# Altium PCB MK66MCU_V02.PcbDoc (continued)
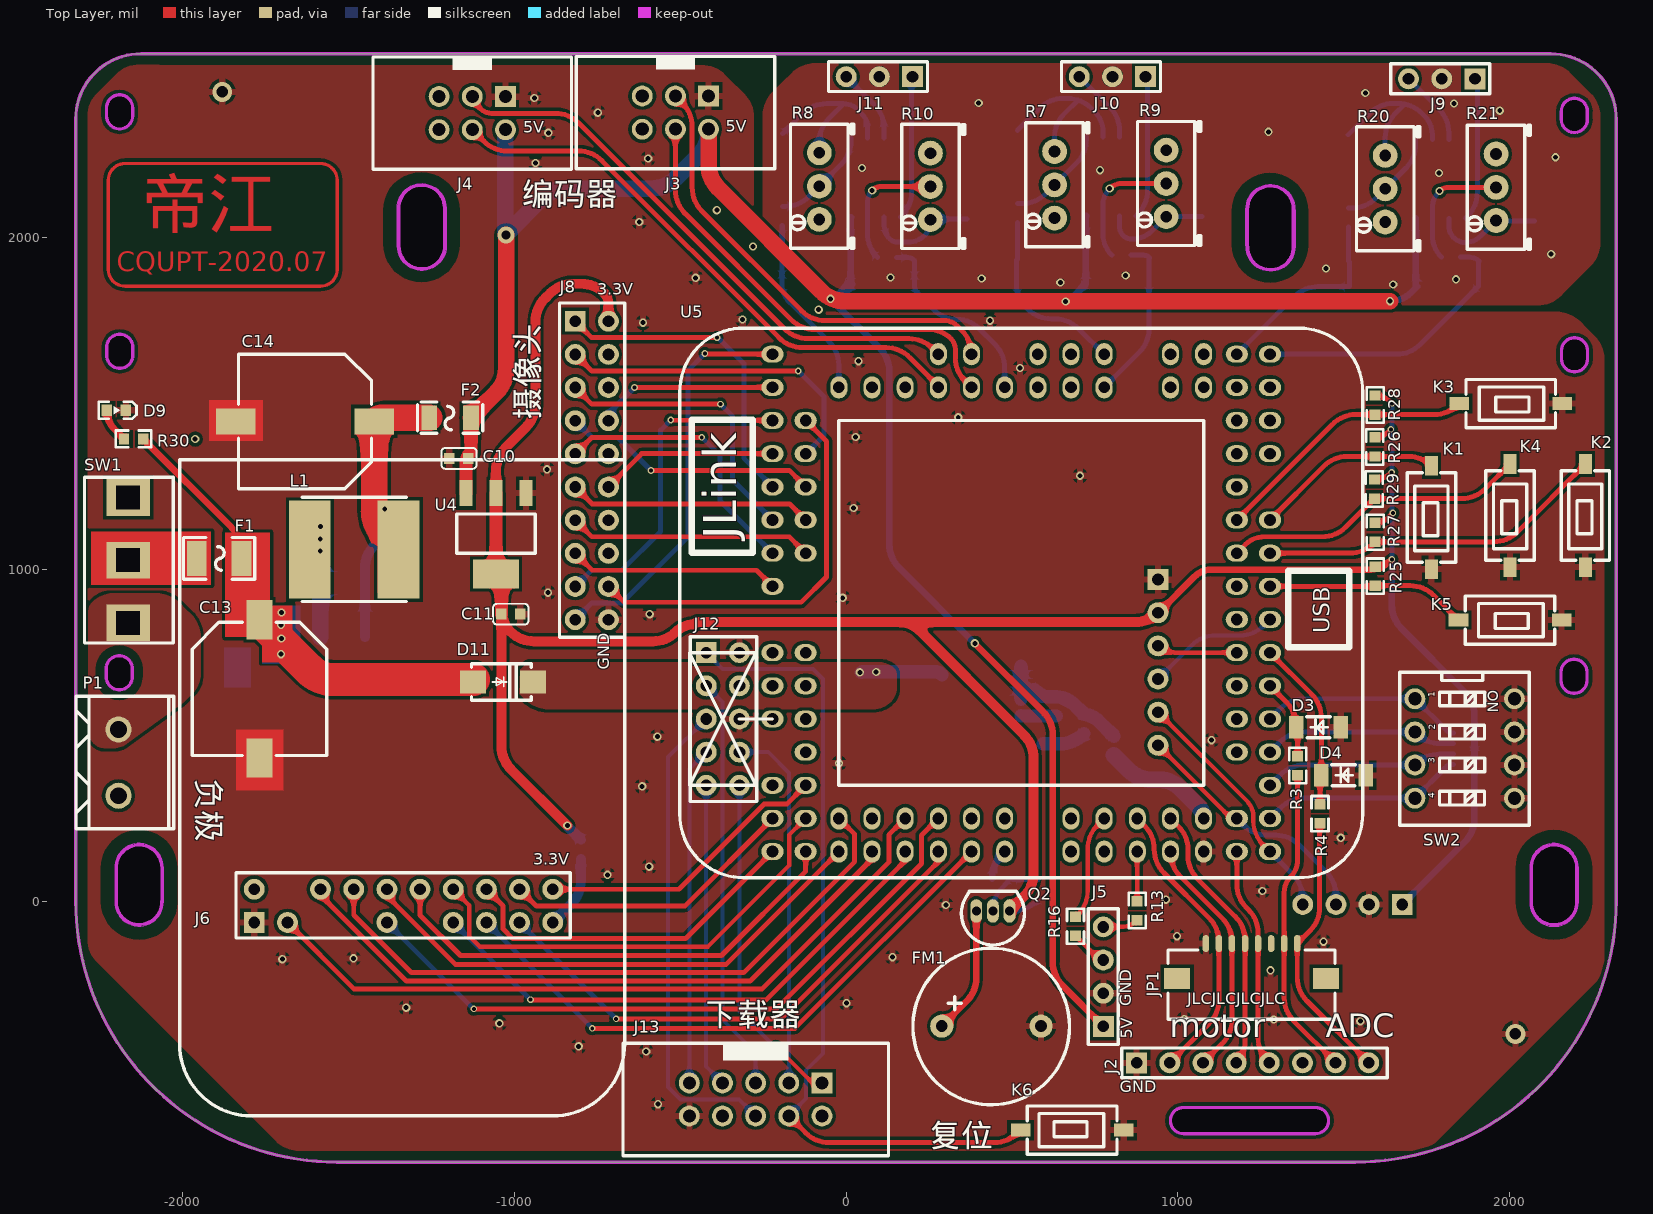
[diagram p0: Top Layer view]
## Via types
v1: diameter 25, hole 15, Top Layer to Bottom Layer, tented both sides, 84 vias
v2: diameter 20, hole 12, Top Layer to Bottom Layer, tented both sides, 18 vias
v3: diameter 60, hole 35, Top Layer to Bottom Layer, 2 vias
v4: diameter 50, hole 28, Top Layer to Bottom Layer, tented both sides, 1 vias

## Nets (pads, with @x,y where several pads share a name; then routed paths per layer and width w, separated by ;. In a path a pad name is that pad's centre, name@x,y a point inside that pad or via, vN(x,y) a via of type N, cw(c..) or ccw(c..) an arc to the next point about the centre after c; other vN are vias at no path point)
7.2V: C13.1 D11.1 F1.1 R30.2 U6.1 | length 1194.9
  Top Layer w20: R30.2 -1852.47,1126.21 cw(c-1923.18,1055.5) -1823.18,1055.5 F1.1
  Top Layer w100: C13.1 -1707.67,786.83 -1618.13,697.29 ccw(c-1547.42,768) -1547.42,668 D11.1@-1123.5,668
  other v1: -1704,744.5 -1703,791.5 -1704,833 -1702.5,870
ADC_BAT: U5.94
ADC_MOTOR1: D4.1 R4.1 U5.37 | length 517.8
  Top Layer w15: U5.37 1404.28,623.22 cw(c1333.57,552.51) 1433.57,552.51 D4.1 ccw(c1443.39,369.18) 1429.5,369.18 R4.1
ADC_MOTOR1_IN: J2.8 JP1.8 R4.2 | length 828.8
  Top Layer w15: R4.2@1428.5,232 1428.5,-19.12 cw(c1328.5,-19.12) 1399.21,-89.83 JP1.8 1360.8,-230.87 ccw(c1460.8,-230.87) 1390.08,-301.58 J2.8
ADC_MOTOR2: D3.1 R3.1 U5.35 | length 241.5
  Top Layer w15: U5.35 1328.78,598.72 cw(c1258.07,528.01) 1358.07,528.01 D3.1 cw(c1348.58,514.51) 1362,514.51 R3.1
ADC_MOTOR2_IN: J2.7 JP1.7 R3.2 | length 938.5
  Top Layer w15: R3.2 1362,124.46 cw(c1289.67,124.46) 1340.82,73.32 ccw(c1387.63,26.5) 1321.43,26.5 JP1.7 1321.43,-291.5 ccw(c1421.43,-291.5) 1350.71,-362.21 J2.7
ADC_OUT1: C9.1 D8.1 R19.1 U5.55 | length 845
  Bottom Layer w15: U5.55 1660.73,1649 ccw(c1660.73,1749) 1731.44,1678.29 C9.1 1907.26,1924.2 cw(c1914.91,1924.2) D8.1 ccw(c1880.53,1900.63) 1880.53,1941.61 R19.1
ADC_OUT2: C7.1 D7.1 R18.1 U5.56 | length 600.5
  Bottom Layer w15: U5.56 1352.82,1823.32 cw(c1423.53,1752.6) 1423.53,1852.6 C7.1 1518.26,1923.73 ccw(c1508.84,1923.73) 1515.5,1930.39 R18.1
ADC_OUT3: C5.1 D5.1 R5.1 U5.73 | length 501.1
  Bottom Layer w15: U5.73 884.47,1654.97 ccw(c813.76,1725.68) 913.76,1725.68 C5.1 913.76,1936.84 cw(c918.23,1936.84) D5.1 ccw(c896.96,1921.89) 896.96,1947.5 R5.1
ADC_OUT4: C1.1 D1.1 R1.1 U5.74 | length 549
  Bottom Layer w15: R1.1 516.5,1936.46 cw(c511.61,1936.46) D1.1 ccw(c517.02,1931.05) 514.26,1931.05 C1.1 ccw(c612.66,1860) 543.08,1790.42 548.71,1784.79 ccw(c619.42,1855.5) 619.42,1755.5 630.58,1755.5 cw(c630.58,1655.5) 701.29,1726.21 U5.74
ADC_OUT5: C6.1 D6.1 R6.1 U5.67 | length 585.4
  Bottom Layer w15: R6.1 184.13,1941 cw(c184.13,1908.56) D6.1 ccw(c209.02,1929.55) 206.26,1929.55 C6.1 ccw(c246.72,1858.5) 218.1,1829.9 264.71,1783.29 ccw(c335.42,1854) 335.42,1754 cw(c335.42,1660.86) 401.28,1726.72 449.21,1678.79 cw(c378.5,1608.08) 478.5,1608.08 U5.67
ADC_OUT6: C2.1 D2.1 R2.1 U5.57 | length 605.8
  Bottom Layer w15: -192,1983.96 R2.1 ccw(c-189.01,2034.51) -193.24,2034.51 C2.1 ccw(c-114.15,1861.5) -170.08,1805.58 -50.79,1686.29 cw(c-121.5,1615.58) -21.5,1615.58 U5.57
AGND: C1.2 C2.2 C3.2 C4.2 C5.2 C6.2 C7.2 C8.2 C9.2 D1.2 D2.2 D5.2 D6.2 D7.2 D8.2 J9.2 J10.2 J11.2 R11.1 R12.1 R14.2 R15.2 R22.1 R23.2 R24.1 U1.4 U2.4 U3.4
  other v1: 1650,1859.5 646.5,1865.5 1839.5,1875 409,1877.5 134.5,1880.5 843.5,1886.5 1447.5,1907.5 2126.5,1950.5 1788.5,2195.5 766,2204 48,2210.5 2139.5,2243 1274,2319.5 1971.5,2383.5 1833.5,2405 400,2406.5 1566,2437
BT_RX: R13.1 U5.19 | length 149.2
  Top Layer w13: R13.1 878,147.79 cw(c879.71,147.79) U5.19
BT_TX: R16.1 U5.18 | length 323.5
  Top Layer w13: R16.1 699.71,-39.55 ccw(c629,31.16) 729,31.16 729,158.08 cw(c829,158.08) 758.29,228.79 U5.18
BUZZ: R35.1 U5.11 | length 92.9
  Bottom Layer w20: R35.1 440.52,69.6 cw(c540.52,69.6) 469.81,140.31 U5.11
CAMERAL_D0: J8.1 U5.104 | length 968.3
  Top Layer w15: J8.1 -767,1699 v2(-389,1699)
  Bottom Layer w15: v2@-387.5,1700.5 -308,1621 -308,1335.5 U5.104
CAMERAL_D1: J8.2 U5.105 | length 998.3
  Top Layer w15: J8.2 -766.5,1598.5 v2(-144,1598.5)
  Bottom Layer w15: v2@-144.5,1599 v2(-144,1598.5) -66.5,1521 -66.5,1404 U5.105
CAMERAL_D2: J8.3 U5.102 | length 874.9
  Top Layer w15: J8.3 -766.5,1498.5 v2(-378.5,1498.5)
  Bottom Layer w15: v2@-380,1499.5 -342,1461.5 -342,1269.5 U5.102
CAMERAL_D3: J8.4 U5.103 | length 777.8
  Top Layer w15: v2@-588,1299 -171.5,1299 U5.103
  Bottom Layer w15: J8.4 -766,1398 -687.5,1398 v2(-588,1298.5)
CAMERAL_D4: J8.5 U5.100 | length 840.7
  Top Layer w15: J8.5 -767.5,1397.5 v2@-434,1397.5
  Bottom Layer w15: v2(-435,1398.5) -380.5,1344 -380.5,1208 U5.100
CAMERAL_D5: J8.6 U5.101 | length 736.2
  Top Layer w15: J8.6 -765.5,1197.5 -170,1197.5 U5.101
CAMERAL_D6: J8.7 U5.99 | length 736.2
  Top Layer w15: J8.7 -766.5,1098.5 -171,1098.5 U5.99
CAMERAL_D7: J8.8 U5.98 | length 636.2
  Top Layer w15: J8.8 -765.5,997.5 -270,997.5 U5.98
CAMERAL_HREF: J8.12 U5.107 | length 1206.5
  Top Layer w15: J8.12 -669,901 -135,901 -59,977 -59,1386.5 U5.107
CAMERAL_PCLK: J8.17 U5.110 | length 549
  Top Layer w15: v2@-638,1549 U5.110
  Bottom Layer w15: J8.17 -716.5,1470 v2(-638,1548.5)
CAMERAL_SCL: J8.9 U5.108 | length 981.9
  Top Layer w15: v2(-528.5,1450.5) U5.108
  Bottom Layer w15: J8.9 -767.5,997.5 -676,997.5 -559,1114.5 -559,1420 v2(-528.5,1450.5)
CAMERAL_SDA: J8.10 U5.112 | length 1221.5
  Top Layer w15: v2@-425.5,1649 U5.112
  Bottom Layer w15: J8.10 -766.5,898.5 -676,898.5 -477,1097.5 -477,1599.5 v2(-425.5,1651)
CAMERAL_VSYNC: J8.15 U5.106 | length 536.6
  Top Layer w15: J8.15 -616,1349 U5.106
DC_POWERIN: P1.1 Q1.1 SW1.3
ENCODE1_DIR: J3.5 U5.65 | length 1378.4
  Top Layer w15: J3.5 -514.5,2143.92 ccw(c-414.5,2143.92) -485.21,2073.21 -164.79,1752.79 ccw(c-94.08,1823.5) -94.08,1723.5 249.4,1723.5 cw(c249.4,1627.9) 317,1695.5 cw(c286.82,1665.32) 329.5,1665.32 329.5,1637.5 ccw(c424.86,1637.5) 357.43,1570.07 U5.65
ENCODE1_LSB: J3.2 U5.66 | length 1376.9
  Top Layer w15: J3.2 -493.29,2406.29 cw(c-564,2335.58) -464,2335.58 -464,2151.42 ccw(c-364,2151.42) -434.71,2080.71 -133.79,1779.79 ccw(c-63.08,1850.5) -63.08,1750.5 296.37,1750.5 cw(c296.37,1695.87) 335,1734.5 349.21,1720.29 cw(c278.5,1649.58) 378.5,1649.58 U5.66
ENCODE2_DIR: J4.5 U5.63 | length 1711.8
  Top Layer w15: J4.5 -1092.29,2291.29 ccw(c-1021.58,2362) -1021.58,2262 -806.92,2262 cw(c-806.92,2162) -736.21,2232.71 -201.79,1698.29 ccw(c-131.08,1769) -131.08,1669 120.58,1669 cw(c120.58,1569) 191.29,1639.71 276.03,1554.97 cw(c270.05,1549) U5.63
ENCODE2_LSB: J4.2 U5.64 | length 1718.2
  Top Layer w15: J4.2 ccw(c-1098.03,2426) -1118.51,2405.51 -1102.5,2389.5 ccw(c-1068.7,2423.3) -1068.7,2375.5 -876.92,2375.5 cw(c-876.92,2275.5) -806.21,2346.21 -185.29,1725.29 ccw(c-114.58,1796) -114.58,1696 190.08,1696 cw(c190.08,1596) 260.79,1666.71 U5.64
GND: C10.2 C11.2 C13.2 C14.2 C15.1 D3.2 D4.2 D9.C D10.1 FM1.2 J1.2 J2.1 J3.1 J4.1 J5.2 J6.1 J7.1 J8.11 J12.8 J12.10 J13.6 JP1.1 K1.A K2.A K3.A K4.A K5.A K6.B Q1.3 R24.2 R38.1 SW2.5 SW2.6 SW2.7 SW2.8 U4.1 U5.23 U6.3 U6.5 U6.6 U7.1 U7.2
  other v1: -567,-612.5 -602.5,-453.5 -806,-438 -1045.5,-369 1551,-362.5 1290,-357 1020,-356 -1326.5,-321.5 1.5,-308 1280,-209 -1700,-175.5 -1485,-173 140,-169.5 1440,-122.5 998,-106 301,-12 964.5,4 1255.5,30.5 -719,79 -593.5,103.5 1492,190.5 -614.5,346 -21,415.5 1102.5,485 -569,495.5 -592,865 -10,914.5 -898.5,930 23,1185.5 705.5,1282.5 -901.5,1302 29,1399.5 338.5,1458.5 524.5,1607.5 38,1628 -612.5,1744 434,1750 -312,1753.5 -82.5,1783.5 -453.5,1879.5 -280.5,1974 -623.5,2048 -389.5,2083.5 -936.5,2225.5 -596.5,2239 -897.5,2316.5 -748.5,2377.5 -940,2421.5
  other v3: 2018.5,-400.5 -1881,2440
IIC_SCL: J1.3 J7.6 U5.28 | length 761.1
  Top Layer w13: J7.6 1149.48,261.02 ccw(c1178.5,290.04) U5.28
  Bottom Layer w15: U5.28 1199.71,227.79 ccw(c1270.42,298.5) 1270.42,198.5 1296.08,198.5 cw(c1296.08,98.5) 1366.79,169.21 1448.21,87.79 cw(c1377.5,17.08) 1477.5,17.08 J1.3
IIC_SDA: J1.4 J7.5 U5.25 | length 749.3
  Top Layer w13: J7.5 1209.12,301.38 cw(c1162.23,254.5) 1228.54,254.5 1228.54,240.39 ccw(c1328.54,240.39) 1257.82,169.68 U5.25
  Bottom Layer w15: U5.25 1348.21,79.29 cw(c1277.5,8.58) 1377.5,8.58 J1.4
J_3.3V: J12.6 J13.1 | length 1020
  Top Layer w12: v2(-211.5,-438.5) -101.5,-548.5 J13.1
  Bottom Layer w12: J12.6 -321.5,-332.5 -215.5,-438.5 v2(-211.5,-438.5)
J_PA0: J12.4 J13.5 | length 1018.6
  Bottom Layer w12: J13.5 -472.5,398 J12.4
J_PA1: J12.2 J13.3 | length 1259.2
  Bottom Layer w12: J12.2 -372,599.5 -372,-358 -272.5,-457.5 J13.3
J_PA2: J12.3 J13.8 | length 1457.6
  Bottom Layer w12: J12.3 -536.5,434 -536.5,-560.5 -499,-598 -323,-598 J13.8
J_PA3: J12.5 J13.4 | length 917.8
  Bottom Layer w12: J12.5 -421.5,-499.5 J13.4
J_PA4: J12.7 J13.2 | length 1110.6
  Bottom Layer w12: J12.7 -234.5,449 -172.04,386.54 -172.04,-548.04 J13.2
J_RST: J12.1 J13.9 K6.A | length 2484.4
  Top Layer w15: J13.9 -121.79,-699.21 ccw(c-51.08,-628.5) -51.08,-728.5 447.57,-728.5 ccw(c447.57,-628.5) 518.28,-699.21 K6.A
  Bottom Layer w12: J12.1 -372,699.5 -100,699.5 -69.5,669 -69.5,-459.88 -120,-510.38 -120,-596 J13.9
KEY1: K1.B R26.1 U5.45 | length 569.6
  Top Layer w15: U5.45 1440.71,1311.21 cw(c1511.42,1240.5) 1511.42,1340.5 R26.1 1696.72,1340.5 cw(c1696.72,1243.24) K1.B
KEY2: K2.B R27.1 U5.43 | length 1053.8
  Top Layer w15: U5.43 1519.82,1049 ccw(c1519.82,1149) 1590.53,1078.29 R27.1 1953.33,1083.26 ccw(c1953.33,1183.26) 2024.04,1112.55 K2.B
KEY3: K3.B R28.1 U5.46 | length 807.3
  Top Layer w15: U5.46 1467.21,1437.71 cw(c1537.92,1367) 1537.92,1467 R28.1 1774.57,1467 ccw(c1774.57,1567) 1845.28,1496.29 K3.B
KEY4: K4.B R29.1 U5.44 | length 923.3
  Top Layer w15: U5.44 1204.31,1074.81 cw(c1261.5,1017.62) 1261.5,1098.5 1436.82,1098.5 ccw(c1436.82,1198.5) 1507.53,1127.79 R29.1 1856.83,1213.76 ccw(c1856.83,1313.76) 1927.54,1243.05 K4.B
KEY5: K5.B R25.1 U5.41 | length 607.8
  Top Layer w15: U5.41 1591.12,949 ccw(c1591.12,955.9) R25.1 1701.55,951.02 cw(c1701.55,851.02) 1772.26,921.73 K5.B
LC1: J9.1 U3.5 | length 433.1
  Bottom Layer w15: U3.5 1874.71,2065.71 ccw(c1804,2136.42) 1904,2136.42 1904,2461.39 ccw(c1878.39,2461.39) J9.1
LC2: J9.3 U3.3 | length 228.5
  Bottom Layer w15: J9.3 1788.71,2387.29 cw(c1718,2316.58) 1818,2316.58 U3.3
LC3: J10.1 U1.5 | length 430.8
  Bottom Layer w15: U1.5 879.71,2071.21 ccw(c809,2141.92) 909,2141.92 909,2472.72 ccw(c890.22,2472.72) J10.1
LC4: J10.3 U1.3 | length 227.5
  Bottom Layer w15: J10.3 795.71,2393.79 cw(c725,2323.08) 825,2323.08 U1.3
LC5: J11.1 U2.5 | length 433.5
  Bottom Layer w15: U2.5 168.21,2065.71 ccw(c97.5,2136.42) 197.5,2136.42 197.5,2478.76 cw(c207.74,2478.76) J11.1
LC6: J11.3 U2.3 | length 228.6
  Bottom Layer w15: J11.3 85.71,2400.79 cw(c15,2330.08) 115,2330.08 U2.3
LCD_CS: J6.9 U5.7 | length 1610.5
  Top Layer w15: v2(-693,-355.5) -195,-355.5 278.5,118 U5.7
  Bottom Layer w15: J6.9 v2@-693.25,-355.75
LCD_D0: J6.11 U5.85 | length 892.9
  Top Layer w15: J6.11 -503.81,35.5 -247.22,292.09 -178.41,292.09 U5.85
LCD_D1: J6.12 U5.84 | length 893.7
  Top Layer w15: J6.12 -933.5,-15.5 -486,-15.5 U5.84
LCD_D2: J6.13 U5.82 | length 1074
  Top Layer w15: J6.13 -1034.5,-14.5 -1034.5,-83.79 -1004.79,-113.5 -484,-113.5 U5.82
LCD_D3: J6.14 U5.83 | length 1403.2
  Top Layer w13: J6.14 -1136.5,-12.5 -1136.5,-105.5 -1104.5,-137.5 -415.94,-137.5 -171.54,106.91 -171.54,198.96 U5.83
LCD_D4: J6.15 U5.81 | length 1456.2
  Top Layer w15: J6.15 -1284.5,-42.5 -1162.5,-164.5 -375.5,-164.5 -121.5,89.5 U5.81
LCD_D5: J6.16 U5.1 | length 1609.4
  Top Layer w15: J6.16 -1384.5,15.5 -1178,-191 -361.5,-191 U5.1
LCD_D6: J6.17 U5.2 | length 1948.8
  Top Layer w15: J6.17 -1484.5,-42 -1310.5,-216 -308.5,-216 26,118.5 26,201.5 U5.2
LCD_D7: J6.18 U5.3 | length 1962.8
  Top Layer w15: J6.18 -1584.5,17.5 -1326,-241 -289,-241 78.5,126.5 U5.3
LCD_RD: J6.2 U5.6 | length 2208.1
  Top Layer w15: J6.2 -1483,-266 -254,-266 129,117 129,199.5 U5.6
LCD_RS: J6.5 U5.8 | length 2061.9
  Top Layer w15: v2@-1125,-325 v2(-1122.5,-325) -210,-325 227.5,112.5 227.5,198 U5.8
  Bottom Layer w15: J6.5 v2@-1122.5,-326.5
LCD_RST: J6.8 U5.9 | length 1816
  Top Layer w15: v2@-765.25,-384 -154.5,-384 U5.9
  Bottom Layer w15: J6.8 v2(-765.25,-383.75)
LCD_WR: J6.7 U5.5 | length 1661.1
  Top Layer w15: v2@-951.5,-298 -240.5,-298 178.5,121 U5.5
  Bottom Layer w15: J6.7 v2(-951.5,-297.5)
NetC14_1: C14.1 F2.1 L1.1 U6.4 | length 983.8
  Top Layer w80: L1.1 -1393.55,1104.91 cw(c-1322.84,1175.62) -1422.84,1175.62 C14.1 cw(c-1396.28,1419.94) -1396.28,1457.5 F2.1
  Bottom Layer w30: U6.4 -1451,1002.58 cw(c-1351,1002.58) -1421.71,1073.29 -1420.29,1074.71 ccw(c-1491,1145.42) -1391,1145.42 v1(-1391,1182)
NetC15_2: C15.2 D11.2 U7.3 U7.4 | length 246.6
  Bottom Layer w40: v1@46,689.5 cw(c51.41,684.09) 51.41,691.74 C15.2 267.19,691.74 cw(c267.19,660.19) 289.5,682.5
  other v1: 41.5,689.5 91,690.5
NetC16_1: C16.1 R36.1 R37.2 U7.5 U7.6 U7.7 | length 437.6
  Bottom Layer w40: U7.7 U7.6 ; U7.5 U7.6 ; R36.1 759.41,545.33 ccw(c718,503.91) C16.1 685.77,594.71 ccw(c635,543.94) R37.2 611.68,615.74 cw(c611.68,715.74) 540.97,645.03 U7.6
NetC16_2: C16.2 R38.2 | length 132.3
  Bottom Layer w40: R38.2 645.58,474 ccw(c645.58,574) 716.29,503.29 C16.2
NetD9_A: D9.A R30.1 | length 104.5
  Top Layer w20: D9.A ccw(c-2145.95,1480) -2204.85,1421.11 R30.1
NetD10_2: D10.2 L1.2 U6.2 | length 340.1
  Bottom Layer w50: U6.2 -1584.86,958.5 v1(-1584.86,1129.31) cw(c-1576.81,1129.31) v1@-1582.5,1135
  other v1: -1585.5,1056 -1585.5,1092
NetF1_2: F1.2 SW1.2
NetFM1_1: FM1.1 Q2.3 | length 385.8
  Top Layer w20: FM1.1 363.71,-302.19 ccw(c293,-231.48) 393,-231.48 Q2.3
NetJ5_3: J5.3 R16.2 | length 113.2
  Top Layer w13: R16.2 757.67,-170.41 ccw(c776,-152.07) J5.3
NetJ5_4: J5.4 R13.2 | length 107.5
  Top Layer w13: J5.4 828.51,-78 ccw(c828.51,-8.01) R13.2
NetJ6_10: J6.10 R17.1 | length 222.7
  Bottom Layer w30: J6.10 -828.79,-8.79 ccw(c-899.5,61.92) -799.5,61.92 R17.1
NetQ2_2: Q2.2 R34.2 R35.2 | length 199.5
  Bottom Layer w13: Q2.2 443,-28.92 cw(c543,-28.92) 472.29,41.79 R35.2 ccw(c507.08,76.58) 507.08,63.74 R34.2
NetR1_2: R1.2 R7.2 U1.1 | length 311.9
  Bottom Layer w15: R1.2 531.21,2103.24 ccw(c531.21,2203.24) 601.92,2132.53 R7.2 695.71,2226.32 ccw(c625,2297.03) 725,2297.03 U1.1
NetR2_2: R2.2 R8.2 U2.1 | length 312.5
  Bottom Layer w15: R2.2 -182.44,2094.98 ccw(c-182.44,2194.98) -111.73,2124.27 R8.2 -14.29,2221.71 ccw(c-85,2292.42) 15,2292.42 U2.1
NetR5_2: R5.2 R9.2 U1.7 | length 388
  Top Layer w15: v1(795,2148.5) cw(c831.47,2112.03) 831.47,2163.6 R9.2
  Bottom Layer w15: v1(795,2148.5) ccw(c843.28,2100.22) 775,2100.22 U1.7 775,2011.52 ccw(c865.54,2011.52) R5.2
NetR6_2: R6.2 R10.2 U2.7 | length 392.4
  Top Layer w15: v1(79,2143) cw(c107.02,2114.98) 107.02,2154.6 R10.2
  Bottom Layer w15: v1(79,2143) ccw(c112.8,2109.2) 65,2109.2 U2.7 65,2012.18 ccw(c165,2012.18) 94.29,1941.47 R6.2
NetR7_3: R7.3 R14.1 U1.2 | length 543.6
  Bottom Layer w15: R14.1 583.47,2390.71 cw(c654.18,2320) 654.18,2420 669.08,2420 cw(c669.08,2320) 699.45,2415.28 ; R7.3 629,2303.4 cw(c729,2303.4) 658.29,2374.11 699.45,2415.28 ; U1.2 775,2320.14 ccw(c689.64,2320.14) 750,2380.5 739.79,2390.71 ccw(c669.08,2320) 699.45,2415.28
NetR8_3: R8.3 R15.1 U2.2 | length 534.4
  Bottom Layer w15: R15.1 -130.03,2375.21 cw(c-59.32,2304.5) -59.32,2404.5 -7,2404.5 ; R8.3 -80.5,2289.58 cw(c19.5,2289.58) -51.21,2360.29 -7,2404.5 ; U2.2 65,2333.17 ccw(c8.67,2333.17) 48.5,2373 33.97,2387.53 ccw(c-7,2346.56) -7,2404.5
NetR9_1: R9.1 R11.2 U1.6 | length 326.8
  Bottom Layer w15: U1.6 825,2034.26 ccw(c864.26,2034.26) 836.5,2006.5 ccw(c861.85,2031.85) 861.85,1996 ccw(c861.85,2083.02) 923.38,2021.49 R9.1 1071.42,2063.6 ccw(c1071.42,2065.84) R11.2
NetR10_1: R10.1 R12.2 U2.6 | length 346.3
  Bottom Layer w15: U2.6 115,2037.54 ccw(c173.04,2037.54) 132,1996.5 ccw(c154.94,2019.44) 154.94,1987 186.59,1987 ccw(c186.59,2060.41) 238.5,2008.5 ccw(c199.87,2047.13) 254.5,2047.13 R10.1 cw(c259.7,2049.4) 259.7,2056.76 R12.2
NetR18_2: R18.2 R20.2 U3.1 | length 313.2
  Bottom Layer w15: R18.2 1527.06,2090.09 ccw(c1527.06,2190.09) 1597.77,2119.37 R20.2 1688.71,2210.32 ccw(c1618,2281.03) 1718,2281.03 U3.1
NetR19_2: R19.2 R21.2 U3.7 | length 386.5
  Top Layer w15: v1(1789.5,2141) cw(c1816.31,2114.19) 1816.31,2152.1 R21.2
  Bottom Layer w15: v1(1789.5,2141) ccw(c1841.41,2089.09) 1768,2089.09 U3.7 1768,2008.62 ccw(c1862.78,2008.62) R19.2
NetR20_3: R20.3 R23.1 U3.2 | length 527.7
  Bottom Layer w15: R23.1 1579.37,2375.71 cw(c1650.08,2305) 1650.08,2405 1665.58,2405 cw(c1665.58,2305) 1684.92,2403.11 ; R20.3 1626,2302.77 cw(c1726,2302.77) 1655.29,2373.48 1684.92,2403.11 ; U3.2 1768,2312.18 ccw(c1691.18,2312.18) 1745.5,2366.5 1736.29,2375.71 ccw(c1665.58,2305) 1684.92,2403.11
NetR21_1: R21.1 R22.2 U3.6 | length 334.9
  Bottom Layer w15: U3.6 1818,2035.51 ccw(c1867.51,2035.51) 1832.5,2000.5 ccw(c1867.51,2035.51) 1867.51,1986 ccw(c1867.51,2050.92) 1913.41,2005.01 R21.1 ccw(c1965.33,2056.93) 1965.33,2050.11 R22.2
NetR31_2: 
NetR37_1: R37.1 U7.8 | length 107.6
  Bottom Layer w40: U7.8 527.74,558.26 R37.1
PWM_MOTOR1+: J2.5 JP1.5 U5.26 | length 664.7
  Top Layer w15: U5.26 1178.5,50.42 ccw(c1278.5,50.42) 1207.79,-20.29 1213.4,-25.9 cw(c1142.69,-96.61) 1242.69,-96.61 JP1.5 1242.69,-412.76 ccw(c1342.69,-412.76) 1271.97,-483.47 J2.5
PWM_MOTOR1-: J2.4 JP1.4 U5.22 | length 824.6
  Top Layer w15: U5.22 1002.21,225.29 cw(c931.5,154.58) 1031.5,154.58 1031.5,135 ccw(c1126.86,135) 1059.43,67.57 1174.03,-47.03 cw(c1103.31,-117.74) 1203.31,-117.74 JP1.4 1203.31,-423.26 cw(c1111.76,-423.26) J2.4
PWM_MOTOR2+: J2.3 JP1.3 U5.21 | length 737.1
  Top Layer w15: U5.21 978.5,145.42 ccw(c1078.5,145.42) 1007.79,74.71 1134.66,-52.16 cw(c1063.94,-122.87) 1163.94,-122.87 JP1.3 1163.94,-359.13 cw(c1063.94,-359.13) 1134.66,-429.84 J2.3
PWM_MOTOR2-: J2.2 JP1.2 U5.20 | length 883.1
  Top Layer w15: U5.20 900.21,227.29 cw(c829.5,156.58) 929.5,156.58 929.5,155.42 ccw(c1029.5,155.42) 958.79,84.71 1095.29,-51.79 cw(c1024.57,-122.5) 1124.57,-122.5 JP1.2 1124.57,-298.5 cw(c1024.57,-298.5) 1095.29,-369.21 J2.2
SW1: RN1.4 SW2.1 U5.33 | length 616.2
  Bottom Layer w15: U5.33 1310.21,580.71 cw(c1380.92,510) 1380.92,610 SW2.1 1810.68,514.82 ccw(c1832,536.13) RN1.4
SW2: RN1.3 SW2.2 U5.31 | length 584.9
  Bottom Layer w15: U5.31 1310.21,480.71 cw(c1380.92,410) 1380.92,510 SW2.2 1721.71,503.79 ccw(c1792.42,574.5) 1792.42,474.5 RN1.3
SW3: RN1.2 SW2.3 U5.29 | length 583.8
  Bottom Layer w15: U5.29 1310.21,380.71 cw(c1380.92,310) 1380.92,410 SW2.3 1719.21,413.71 cw(c1789.92,343) 1789.92,443 RN1.2
SW4: RN1.1 SW2.4 U5.27 | length 615
  Bottom Layer w15: U5.27 1310.21,280.71 cw(c1380.92,210) 1380.92,310 SW2.4 1806.41,400.91 cw(c1832,375.31) RN1.1
TOF_RXD: J7.3 U5.38 | length 243
  Top Layer w13: J7.3 ccw(c990.49,818.99) 990.49,749 U5.38
TOF_TXD: J7.4 U5.39 | length 403.2
  Bottom Layer w13: J7.4 1043.21,771.71 cw(c1113.92,701) 1113.92,801 1189.08,801 ccw(c1189.08,901) 1259.79,830.29 U5.39
VCC5V_MCU: R36.2 U5.24 | length 351
  Bottom Layer w50: R36.2 852.47,394.79 ccw(c923.18,465.5) 923.18,365.5 946.5,365.5 cw(c946.5,279.8) 1007.1,340.4 1064.36,283.14 cw(c1030.22,249) U5.24
VCC_3.3V: C11.1 J1.1 J7.2 J8.20 Q2.1 R17.2 R25.2 R26.2 R27.2 R28.2 R29.2 R34.1 RN1.5 RN1.6 RN1.7 RN1.8 U4.2 U4.4 | length 7946
  Top Layer w15: R29.2 1594.17,1271.24 ccw(c1594.17,1343.83) v2(1645.5,1292.5) ; R26.2 ccw(c1595,1454.67) 1635.08,1414.58 v2(1643,1422.5) ; R27.2 ccw(c1595.5,1199.26) 1636.88,1157.88 v2(1649,1170) ; R28.2 cw(c1595.5,1458.04) 1642.48,1505.02 v2(1646.5,1501) ; v2@1643.8,1028.3 v2(1646,1030.5)
  Top Layer w20: J7.2 ccw(c941,872.51) 943.13,870.38 1051.21,978.46 cw(c1100.8,928.87) 1100.8,999 1573.08,999 ccw(c1573.08,1099) v2@1643.79,1028.29
  Top Layer w30: U4.2 -1055.5,1297.08 cw(c-955.5,1297.08) -1026.21,1367.79 -965.79,1428.21 ccw(c-1036.5,1498.92) -936.5,1498.92 -936.5,1747.08 cw(c-836.5,1747.08) -907.21,1817.79 -892.79,1832.21 cw(c-822.08,1761.5) -822.08,1861.5 -798.92,1861.5 cw(c-798.92,1761.5) -728.21,1832.21 cw(c-756.48,1803.94) -716.5,1803.94 J8.20 ; v1(-840.5,227.5) -1009.95,396.95 cw(c-939.24,467.66) -1039.24,467.66 C11.1 ccw(c-979.46,865) -1021.73,822.73 -1011.29,812.29 ccw(c-940.58,883) -940.58,783 -582.51,783 ccw(c-582.51,882.01) -512.5,812 cw(c-459.39,758.89) -459.39,834 cw(c-442.49,817.1) -442.49,841 196.5,841 ; Q2.1 536.71,13.71 ccw(c466,84.42) 566,84.42 566,430.08 ccw(c466,430.08) 536.71,500.79 196.5,841 ; J7.2 cw(c872.19,938.31) 872.19,841 196.5,841
  Top Layer w40: U4.2 U4.4 cw(c-1094.75,946.7) -1039.24,946.7 C11.1
  Bottom Layer w15: Q2.1 502.82,-30 ccw(c502.82,70) 573.53,-0.71 R34.1 ; v2(1646,1030.5) 1646,1499.79 cw(c1647.71,1499.79) v2(1646.5,1501)
  Bottom Layer w20: v2(1646,1030.5) 1646,892.42 ccw(c1746,892.42) 1675.29,821.71 1865.7,631.3 cw(c1794.99,560.58) 1894.99,560.58 RN1.6 RN1.8 1894.99,248.42 cw(c1794.99,248.42) 1865.7,177.7 J1.1
  Bottom Layer w30: v1@-840.45,225.69 R17.2
VCC_5V: C3.1 C4.1 C8.1 C10.1 F2.2 J3.6 J4.6 J5.1 U1.8 U2.8 U3.8 U4.3 | length 7640.2
  Top Layer w20: v1(388.5,777) 594.21,571.29 cw(c523.5,500.58) 623.5,500.58 623.5,-184.08 ccw(c723.5,-184.08) 652.79,-254.79 J5.1
  Top Layer w40: U4.3 -1146.05,1317.98 cw(c-1094.68,1317.98) -1131.01,1354.3 F2.2
  Top Layer w50: F2.2 -1054.29,1534.22 ccw(c-1125,1604.93) -1025,1604.93 -1025,2009 v4(-1025.44,2008.56) ; J3.6 -414.5,2220.42 ccw(c-314.5,2220.42) -385.21,2149.71 -73.79,1838.29 ccw(c-3.08,1909) -3.08,1809 v1(1640.58,1809)
  Bottom Layer w20: v1(-46.5,1816) 101.21,1668.29 cw(c30.5,1597.58) 130.5,1597.58 130.5,1076.42 ccw(c230.5,1076.42) 159.79,1005.71 v1(388.5,777) ; C4.1 14.02,2060.13 cw(c17.37,2060.13) U2.8 ; v1(662.5,1808) ccw(c662.5,1827.69) 676.42,1813.77 C3.1 723.26,2062.3 cw(c729.2,2062.3) U1.8 ; v1(1640.58,1809) ccw(c1640.58,1899.72) 1704.73,1835.57 C8.1 cw(c1732.54,1863.39) 1718,1863.39 U3.8
  Bottom Layer w30: v1(-46.5,1816) ccw(c-46.5,1855.88) -18.3,1827.68 C4.1
  Bottom Layer w50: J4.6 ccw(c-1024.59,2323.59) -1028,2323.59 -1028,2007.5 -916.29,2119.21 cw(c-845.58,2048.5) -845.58,2148.5 -586.42,2148.5 ccw(c-586.42,2248.5) -515.71,2177.79 -443.79,2249.71 ccw(c-514.5,2320.42) -414.5,2320.42 J3.6
VEE: P1.2 Q1.4
pads on no net: J2.6 J3.3 J3.4 J4.3 J4.4 J6.3 J6.4 J6.6 J6.19 J6.20 J8.13 J8.14 J8.16 J8.18 J8.19 J12.9 J13.7 J13.10 JP1.6 JP1.9 JP1.10 R7.1 R8.1 R9.3 R10.3 R20.1 R21.3 SW1.1 U5.4 U5.10 U5.12 U5.13 U5.14 U5.15 U5.16 U5.17 U5.30 U5.32 U5.34 U5.36 U5.40 U5.42 U5.47 U5.48 U5.49 U5.50 U5.51 U5.52 U5.53 U5.54 U5.58 U5.59 U5.60 U5.61 U5.62 U5.68 U5.69 U5.70 U5.71 U5.72 U5.75 U5.76 U5.77 U5.78 U5.79 U5.80 U5.86 U5.87 U5.88 U5.89 U5.90 U5.91 U5.92 U5.93 U5.95 U5.96 U5.97 U5.109 U5.111
copper on no net: | length 2034.2
  Top Layer w10: -2224.5,1904 ccw(c-2174.5,1904) -2174.5,1854 -1584.5,1854 ccw(c-1584.5,1904) -1534.5,1904 -1534.5,2174 ccw(c-1584.5,2174) -1584.5,2224 -2174.5,2224 ccw(c-2174.5,2174) -2224.5,2174 -2224.5,1904
  other v1: -1962.5,1393

## Polygon pours and split planes (outlines as drawn)
VEE on Bottom Layer "Top Layer-No Net" (solid, remove dead copper, pour order 0): -2232,234 -1880.92,234 ccw(c-1880.92,334) -1810.21,263.29 -1802.5,271 ccw(c-1855.61,324.11) -1780.5,324.11 -1780.5,450 -1780.5,465.44 ccw(c-1867.56,465.44) -1806,527 -1806.71,527.71 ccw(c-1877.42,457) -1877.42,557 -1977,557 -1979.9,557 ccw(c-1979.9,461.4) -2047.5,529 -2242,402 ccw(c-2175.61,335.61) -2269.5,335.61 -2269.5,279.5 ccw(c-2235.7,279.5) -2259.6,255.6 -2241,237
DC_POWERIN on Bottom Layer "Top Layer-No Net" (solid, remove dead copper, pour order 2): -2179.5,466.5 -1998,598 -1974.79,621.21 ccw(c-2045.5,691.92) -1945.5,691.92 -1945.5,719 -1945.5,793.58 ccw(c-2045.5,793.58) -1974.79,864.29 -2008.5,898 -2008.71,898.21 ccw(c-2079.42,827.5) -2079.42,927.5 -2193,927.5 -2209.73,927.5 ccw(c-2209.73,838.73) -2272.5,901.5 ccw(c-2241.12,870.12) -2285.5,870.12 -2285.5,753.5 -2285.5,508.97 ccw(c-2244.53,508.97) -2273.5,480 ccw(c-2226.42,527.08) -2226.42,460.5 -2202,460.5
AGND on Bottom Layer "Top Layer-No Net" (solid, remove dead copper, pour order 18): 2022.5,1796.5 2086.08,1796.5 ccw(c2086.08,1896.5) 2156.79,1825.79 2246.5,1915.5 ccw(c2178.9,1983.1) 2274.5,1983.1 2274.5,2053.5 2274.5,2365.58 ccw(c2174.5,2365.58) 2245.21,2436.29 2205,2476.5 2184.29,2497.21 ccw(c2113.58,2426.5) 2113.58,2526.5 2043.5,2526.5 -93.08,2526.5 ccw(c-93.08,2426.5) -163.79,2497.21 -196,2465 -221.71,2439.29 ccw(c-151,2368.58) -251,2368.58 -251,2248.5 -251,1986.09 ccw(c-151,1986.09) -221.71,1915.38 -207.53,1901.2 -132.12,1825.79 ccw(c-61.41,1896.5) -61.41,1796.5 2023,1796.5
GND on Bottom Layer "Top Layer-No Net" (solid, remove dead copper, pour order 20): 1986.5,1776.5 2142.08,1776.5 cw(c2142.08,1676.5) 2212.79,1747.21 2258,1702 cw(c2192.82,1636.82) 2285,1636.82 2285,1356.5 2285,-176.08 cw(c2185,-176.08) 2255.71,-246.79 1918.5,-584 1782.29,-720.21 cw(c1711.58,-649.5) 1711.58,-749.5 1409.5,-749.5 -1652.58,-749.5 cw(c-1652.58,-649.5) -1723.29,-720.21 -2261.5,-182 cw(c-2196.32,-116.82) -2288.5,-116.82 -2288.5,224 -2288.5,2364.08 cw(c-2188.5,2364.08) -2259.21,2434.79 -2194,2500 cw(c-2143.3,2449.3) -2143.3,2521 -1931.5,2521 -435.92,2521 cw(c-435.92,2421) -365.21,2491.71 -347,2473.5 -306.79,2433.29 cw(c-377.5,2362.58) -277.5,2362.58 -277.5,2168.5 -277.5,1943.92 ccw(c-177.5,1943.92) -248.21,1873.21 -159.5,1784.5 ccw(c-138.98,1805.02) -138.98,1776 1986.5,1776
DC_POWERIN on Top Layer "Top Layer-No Net" (solid, remove dead copper, pour order 4): -2179.5,466.5 -1998.5,597.5 -1971.25,624.75 ccw(c-2031,684.5) -1946.5,684.5 -1946.5,795.08 ccw(c-2046.5,795.08) -1975.79,865.79 -1992,882 -2008.21,898.21 ccw(c-2078.92,827.5) -2078.92,927.5 -2090,927.5 -2211.85,927.5 ccw(c-2211.85,843.85) -2271,903 ccw(c-2235.99,867.99) -2285.5,867.99 -2285.5,516.5 ccw(c-2226.35,516.5) -2268.18,474.68 -2268,474.5 ccw(c-2232.99,509.51) -2232.99,460 -2201.5,460
NetC15_2 on Top Layer "Top Layer-No Net" (solid, remove dead copper, pour order 6): -983,696 cw(c-978.17,696) -981.59,699.41 -969.5,711.5 cw(c-950.19,692.19) -950.19,719.5 -903.5,719.5 103.46,719.5 cw(c103.46,661.46) 144.5,702.5 cw(c125.19,683.19) 152.5,683.19 152.5,656.5 152.5,641.33 cw(c96.17,641.33) 136,601.5 cw(c81.68,655.82) 81.68,579 -268,579 -897.58,579 cw(c-897.58,679) -968.29,608.29 -985,625
AGND on Top Layer "Top Layer-No Net" (solid, remove dead copper, pour order 16): 1960.5,1796.5 2085.58,1796.5 ccw(c2085.58,1896.5) 2156.29,1825.79 2163,1832.5 2244.71,1914.21 ccw(c2174,1984.92) 2274,1984.92 2274,2333 2274,2365.58 ccw(c2174,2365.58) 2244.71,2436.29 2192,2489 2184.29,2496.71 ccw(c2113.58,2426) 2113.58,2526 1852.5,2526 -93.58,2526 ccw(c-93.58,2426) -164.29,2496.71 -189,2472 -221.71,2439.29 ccw(c-151,2368.58) -251,2368.58 -251,2264 -251,1987.42 ccw(c-151,1987.42) -221.71,1916.71 -145,1840 -130.79,1825.79 ccw(c-60.08,1896.5) -60.08,1796.5 1960.5,1796.5
GND on Top Layer "Top Layer-No Net" (solid, remove dead copper, pour order 22): -604.5,2521 -435.92,2521 cw(c-435.92,2421) -365.21,2491.71 -355,2481.5 -307.29,2433.79 cw(c-378,2363.08) -278,2363.08 -278,2057 -278,1944.42 ccw(c-178,1944.42) -248.71,1873.71 -222.5,1847.5 -181.29,1806.29 ccw(c-110.58,1877) -110.58,1777 2137,1777 2143.08,1777 cw(c2143.08,1677) 2213.79,1747.71 2233.5,1728 2256.71,1704.79 cw(c2186,1634.08) 2286,1634.08 2286,1499.5 2286,-178.08 cw(c2186,-178.08) 2256.71,-248.79 1789,-716.5 1782.29,-723.21 cw(c1711.58,-652.5) 1711.58,-752.5 -751,-752.5 -1649.58,-752.5 cw(c-1649.58,-652.5) -1720.29,-723.21 -2235.5,-208 -2257.71,-185.79 cw(c-2187,-115.08) -2287,-115.08 -2287,138 -2287,2365.58 cw(c-2187,2365.58) -2257.71,2436.29 -2236,2458 -2201.29,2492.71 cw(c-2130.58,2422) -2130.58,2522 -2071.5,2522

## Keep-outs
Keep-Out Layer:
  lines w10: -2200.78,100 -2200.78,-2 ccw(c-2131.88,-2) -2063.01,0 -2062.99,100 ccw(c-2131.89,100) -2200.76,98 ; -1348.5,1979.19 -1348.5,2088 cw(c-1279.63,2090) -1210.73,2090 ; -1348.08,1975.19 ccw(c-1279.18,1975.19) -1210.31,1977.19 -1210.31,2086 ; 1211,1976.69 1211,2085.5 cw(c1279.87,2087.5) 1348.77,2087.5 ; 1211.42,1972.69 ccw(c1280.32,1972.69) 1349.19,1974.69 1349.19,2083.5 ; 2066.26,98 cw(c2135.12,100) 2204.02,100 2204.02,-1 cw(c2135.13,-3) 2066.23,-3 2066.23,100 ; 2125.98,2554.85 cw(c2125.98,2358) 2322.83,2358 2322.83,0 cw(c1535.43,0) 1535.43,-787.4 -1535.43,-787.4 cw(c-1535.43,0) -2322.83,0 -2322.83,2358.27 cw(c-2126,2358.27) -2126,2555.12 2125.98,2555.12 ; -2231,676.13 ccw(c-2191.63,676.13) -2152.26,676.13 -2152.26,700.5 ccw(c-2191.63,700.5) -2231,700.5 -2231,676.13 ; -2230,2367.63 ccw(c-2190.63,2367.63) -2151.26,2367.63 -2151.26,2392 ccw(c-2190.63,2392) -2230,2392 -2230,2367.63 ; -2229.5,1645.63 ccw(c-2190.13,1645.63) -2150.76,1645.63 -2150.76,1670 ccw(c-2190.13,1670) -2229.5,1670 -2229.5,1645.63 ; 1017.57,-701.5 cw(c1017.57,-662.13) 1017.57,-622.76 1415.94,-622.76 cw(c1415.94,-662.13) 1415.94,-701.5 1017.57,-701.5 ; 2156,665.5 ccw(c2195.37,665.5) 2234.74,665.5 2234.74,689.87 ccw(c2195.37,689.87) 2156,689.87 2156,665.5 ; 2157,2357 ccw(c2196.37,2357) 2235.74,2357 2235.74,2381.37 ccw(c2196.37,2381.37) 2157,2381.37 2157,2357 ; 2157.5,1635 ccw(c2196.87,1635) 2236.24,1635 2236.24,1659.37 ccw(c2196.87,1659.37) 2157.5,1659.37 2157.5,1635

## Other copper
Top Layer:
  rectangle net NetF1_2: -2276.5,953 -1914.5,1114.5
  rectangle net 7.2V: -1872,795.5 -1736.5,1111
  rectangle net 7.2V: -1761.5,719 -1669,891.5
  rectangle net GND: -1839,333.5 -1696,518
  rectangle net GND: -1921.5,1387 -1758.5,1510.5
  text "帝江" at -2124.5,1984 h250
  text "CQUPT-2020.07" at -2199.5,1879 h100
Bottom Layer:
  rectangle net 7.2V: -1760.5,715 -1645,891
  rectangle net GND: -1875,644 -1794.5,764

## Silkscreen, mask and mechanical layers (free items; w line width, h text height)
Top Overlay:
  lines w10: -321.5,549 -221.5,549 ; -2009.5,-431.31 ccw(c-1792.96,-431.31) -1792.96,-647.85 -883.91,-647.85 ccw(c-883.91,-431.31) -667.37,-431.31 -667.37,1330.5 -2009.5,1330.5 -2009.5,-431.31
  text "5V" at -362,2308 h60
  text "5V" at -973,2305.5 h60
  text "编码器" at -978.5,2074.5 h120
  text "3.3V" at -750,1815.5 h60
  text "摄像头" at -902.5,1451.5 h120 r90
  text "GND" at -702,697 h60 r90
  text "负极" at -1978.5,369.5 h120 r270
  text "3.3V" at -943,97.5 h60
  text "GND" at 873,-317.5 h60 r90
  text "JLCJLCJLCJLC" at 1028.5,-323.5 h60
  text "下载器" at -424,-400.5 h120
  text "5V" at 875.5,-415 h60 r90
  text "motor" at 977,-435 h120
  text "ADC" at 1447.5,-435.5 h120
  text "GND" at 825,-588 h60
  text "复位" at 250.5,-764.5 h120
Bottom Overlay:
  text "GND" at 876,953 h60
  text "3.3V" at 878.5,849.5 h60
  text "RX" at 876,749.5 h60
  text "TX" at 880.5,655.5 h60
  text "SDA" at 1045.5,611 h60 r90
  text "SCL" at 1047.5,488.5 h60 r90
  text "负极" at -2123,201 h120 r270
  text "SCL" at 1451.5,90.5 h60 r180
  text "SDA" at 1335,82.5 h60 r180
  text "GND" at 1564,54 h60 r270
  text "3.3V" at 1658.5,51.5 h60 r270
Top Paste:
  lines w10: -2169.5,2224 -2174.5,2224 ; -2174.5,2224 ccw(c-2174.5,2174) -2224.5,2174 -2224.5,1904 ccw(c-2174.5,1904) -2174.5,1854 -1584.5,1854 ccw(c-1584.5,1904) -1534.5,1904 -1534.5,2174 ccw(c-1584.5,2174) -1584.5,2224 -2174.5,2224
  text "帝江" at -2124.5,1984 h250
  text "CQUPT-2020.07" at -2199.5,1879 h100
Top Solder:
  lines w10: -2044.5,2224 -1584.5,2224 cw(c-1584.5,2174) -1534.5,2174 -1534.5,1904 cw(c-1584.5,1904) -1584.5,1854 -2174.5,1854 cw(c-2174.5,1904) -2224.5,1904 -2224.5,2174 cw(c-2174.5,2174) -2174.5,2224 -2029.5,2224
  text "帝江" at -2124.5,1984 h250
  text "CQUPT-2020.07" at -2199.5,1879 h100

## Text inside footprints (layer, text, board x,y; h text height)
SW2: Top Overlay "4" at 1775.5,310 h19.68 r90; Top Overlay "3" at 1775.84,414.9 h19.68 r90; Top Overlay "2" at 1776.34,516 h19.68 r90; Top Overlay "1" at 1776.14,613.8 h19.68 r90; Top Overlay "ON" at 1935.75,636 h31.5 r270
U5: Top Overlay "JLink" at -330.48,1090.81 h100 r90; Top Overlay "USB" at 1458.33,808.23 h50 r90